# Altium PCB POWER.PcbDoc (part 1 of 2) (continued)
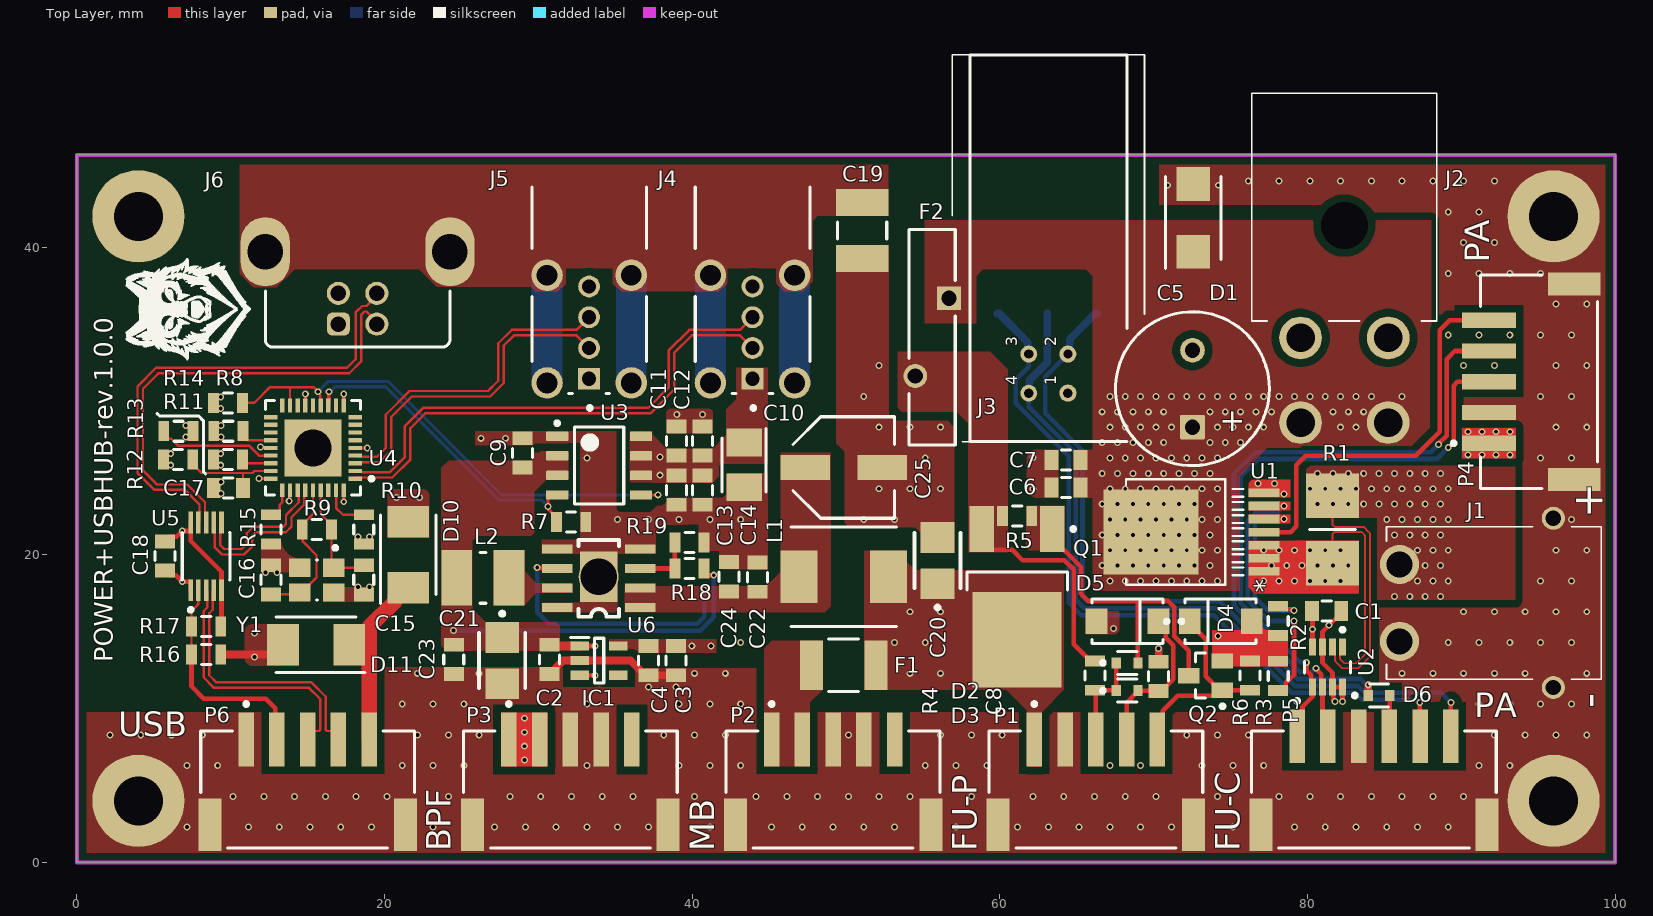
[diagram p0: Top Layer view]
## Footprints (in the part's own frame and the unit in brackets; to place one, negate y for a bottom-side part, rotate by r counter-clockwise, add the part's x,y. Pads: shape width x height; smd on the part's side, far side on the other; paste and mask are expansions set on the pad)
768250004 [mm]
  round 2.775 hole 1.85: 1(-2.85,10.7) 2(2.85,10.7) 3(-2.85,5.2) 4(2.85,5.2)
  round 1.525 hole 3.05 unplated: 5(0,-2.1)
  silkscreen extent -6,-10.7 6.02,4.1, body extent -5.99,-10.59 6.07,11.37, height 14.51
C-0805 [mm] "Surface-Mount Multilayer Chip Capacitor, Body 2 x 1.25 mm (L x W)"
  rect 0.9x1.3 smd: 1(-0.95,0) 2(0.95,0)
  Top Layer pour cut-out: -0.5,0.65 0.5,0.65 0.5,-0.65 -0.5,-0.65
  silkscreen extent -0.3,-0.65 0.3,0.65, body extent -1,-0.62 1,0.63, height 0.78
CAPAE_4.3X4.3H5.4 [mm]
  rect 2x2.2 smd: 1(-1.1,0) 2(1.9,0)
  silkscreen extent -2.9,-1.5 2.2,1.5, body extent -1.45,-1.5 2.25,1.5, height 2.16
CAPC4632X280X75LL50T35 [mm] "Chip Capacitor, 2-Leads, Body 5.1x3.5mm, IPC High Density"
  rect 1.75x3.4 smd: 1(-1.825,0) 2(1.825,0)
  silkscreen extent -0.55,-1.6 0.55,1.6, body extent -2.55,-1.75 2.55,1.75, height 2.8
CAPPM3528X210N [mm]
  rect 1.8x2.3 smd: 1(-1.45,0) 2(1.45,0)
  silkscreen extent -2.35,-1.43 1.75,1.43, body extent -1.75,-1.43 1.75,1.43, height 2.1
"CE 5.0-10x12.5" [mm] "Capacitor, Electrolytic, Radial; RM 5mm; Body 10x12.5mm"
  rrect10% 1.6x1.6 hole 1: 1(-2.5,0)
  round 1.6 hole 1: 2(2.5,0)
  silkscreen extent -5,-5 5,5, body extent -5,-5 4.97,5, height 12.51
D0008A_N [mm] "SOIC, 8-Leads, Body 5x4mm, Pitch 1.27mm, IPC Medium Density"
  rrect17% 1.45x0.6 smd: 1(-2.725,1.905) 2(-2.725,0.635) 3(-2.725,-0.635) 4(-2.725,-1.905) 5(2.725,-1.905) 6(2.725,-0.635) 7(2.725,0.635) 8(2.725,1.905)
  silkscreen extent -2.85,-2.5 1.6,2.88, body extent -3,-2.45 3,2.45, height 1.63
DIOM5236X261N [mm]
  rect 2.05x2.7 smd: 1(-2.15,0) 2(2.15,0)
  silkscreen extent -3.17,-1.8 2.59,1.8, body extent -2.59,-1.8 2.59,1.8, height 2.61
DIOM5436X244N [mm]
  rect 2.2x2.15 smd: 1(-2.2,0) 2(2.2,0)
  silkscreen extent -3.27,-1.81 2.7,1.81, body extent -2.7,-1.81 2.7,1.81, height 2.44
ECG.00.304.CLV [mil] "Socket, Female, Through hole"
  round 44 hole 24: 1(-50,-50)
  round 43.31 hole 23.62: 2(50,-50) 3(50,50) 4(-50,50)
  silkscreen extent -174,-246 816,246
EEE1AA101SP [mm]
  rect 3.2x1.6 smd: 1(-2.5,0) 2(2.5,0)
  silkscreen extent -3.3,-3.3 3.3,3.3, body extent -3.9,-3.4 3.9,3.4, height 5.57
FAIR-SOT23-3_V [mm] "SOT23, 3-Leads, Body 2.92x1.3mm, Pitch 0.95mm"
  rect 1x1.4 smd: 1(-0.95,-1.1) 2(0.95,-1.1) 3(0,1.1)
  silkscreen extent -2.12,-1.23 1.46,0.65, body extent -1.46,-0.65 1.46,0.65, height 1.2
FP-846AP-MFG [mm]
  rect 1.4x0.3 smd paste+0 mask+0: 1(-2.2,1) 2(-2.2,0.5) 3(-2.2,0) 4(-2.2,-0.5) 5(-2.2,-1) 6(2.2,-1) 7(2.2,-0.5) 8(2.2,0) 9(2.2,0.5) 10(2.2,1)
  silkscreen extent -3.6,-1.55 1.55,1.55, body extent -3,-1.65 3,1.65, height 0.25
FP-48204-0001-MFG [mm]
  rect 1.42x1.42 hole 0.92 paste-1000 mask+0: 1(0,8.805)
  round 1.42 hole 0.92 paste-1000 mask+0: 2(0,6.805) 3(0,4.805) 4(0,2.805)
  round 2.05 hole 1.35 paste-1000 mask+0: 5(-2.735,9.075) 6(2.735,9.075) 7(-2.735,2.075) 8(2.735,2.075)
  silkscreen extent -3.72,-3.67 3.72,10.83, body extent -3.86,-9.85 3.86,10.2, height 0.25
FP-DCN0008A-MFG [mm]
  rect 1.1x0.45 smd paste+0 mask+0: 1(-1.3,0.975) 2(-1.3,0.325) 3(-1.3,-0.325) 4(-1.3,-0.975) 5(1.3,-0.975) 6(1.3,-0.325) 7(1.3,0.325) 8(1.3,0.975)
  silkscreen extent -2.55,-1.5 0.38,1.5, body extent -1.95,-1.85 1.95,1.85, height 0.25
FP-MF-MSMF110-16-MFG [mm]
  rect 1.5x3.2 smd paste+0 mask+0: 1(-2.1,0) 2(2.1,0)
  silkscreen extent -0.97,-1.71 0.97,1.71, body extent -2.95,-1.81 2.95,1.81, height 0.25
FP-NX3225GA-MFG [mm]
  rect 1.4x1.2 smd paste+0 mask+0: 1(-1.1,-0.8) 2(1.1,-0.8) 3(1.1,0.8) 4(-1.1,0.8)
  silkscreen extent -1.33,-2.22 0.03,1.3, body extent -1.9,-1.5 1.9,1.5, height 0.25
FP-RUEF400-MFG [mm]
  rect 1.55x1.55 hole 1 paste-1000 mask+0: 1(-2.525,1.095)
  round 1.55 hole 1 paste-1000 mask+0: 2(2.525,-1.095)
  silkscreen extent -7,-1.5 7,1.5, body extent -7.1,-1.97 7.1,1.97, height 0.25
FP-SMA-MFG [mm]
  rect 1.4x1.64 smd paste+0 mask+0: 1(-2.015,0) 2(2.015,0)
  silkscreen extent -3.62,-1.45 2.3,1.45, body extent -2.82,-1.55 2.82,1.55, height 0.25
FP-SOD523-MFG [mm]
  rect 0.6x0.7 smd paste+0 mask+0: 1(-0.7,0) 2(0.7,0)
  silkscreen extent -1.7,-0.75 0.63,0.75, body extent -1.1,-0.53 1.1,0.53, height 0.25
FP-USB2512BI-AEZG-MFG [mm]
  rect 0.9x0.28 smd paste+0 mask+0: 1(-2.75,2) 2(-2.75,1.5) 3(-2.75,1) 4(-2.75,0.5) 5(-2.75,0) 6(-2.75,-0.5) 7(-2.75,-1) 8(-2.75,-1.5) 9(-2.75,-2) 19(2.75,-2) 20(2.75,-1.5) 21(2.75,-1) 22(2.75,-0.5) 23(2.75,0) 24(2.75,0.5) 25(2.75,1) 26(2.75,1.5) 27(2.75,2)
  rect 0.28x0.9 smd paste+0 mask+0: 10(-2,-2.75) 11(-1.5,-2.75) 12(-1,-2.75) 13(-0.5,-2.75) 14(0,-2.75) 15(0.5,-2.75) 16(1,-2.75) 17(1.5,-2.75) 18(2,-2.75) 28(2,2.75) 29(1.5,2.75) 30(1,2.75) 31(0.5,2.75) 32(0,2.75) 33(-0.5,2.75) 34(-1,2.75) 35(-1.5,2.75) 36(-2,2.75)
  rect 3.7x3.7 smd paste+0 mask+0: 37(0,0)
  silkscreen extent -3.93,-3.08 3.08,3.08, body extent -3.3,-3.3 3.3,3.3, height 0.25
INDPM6965X300N [mm]
  rect 2.4x3.4 smd: 1(-2.9,0) 2(2.9,0)
  silkscreen extent -3.43,-3.23 3.43,3.23, body extent -3.54,-3.33 3.53,3.34, height 2.89
JST-S5B-PH-SM4-TB_V [mm] "SMD, 7-Leads, Body 13.9x7.6mm, Pitch 2mm"
  rect 1x3.5 smd: 1(-4,2.675) 2(-2,2.675) 3(0,2.675) 4(2,2.675) 5(4,2.675)
  rect 1.5x3.4 smd: MP1(-6.35,-2.875) MP2(6.35,-2.875)
  silkscreen extent -6.95,-4.38 6.95,5.1, body extent -6.95,-4.37 6.95,4.23, height 5.6
JST-S6B-PH-SM4-TB(LF)(SN)_V [mm] "SMD, 2-Leads, Body 15.9x7.6mm, Pitch 2mm"
  rect 1x3.5 smd: 1(-5,2.875) 2(-3,2.875) 3(-1,2.875) 4(1,2.875) 5(3,2.875) 6(5,2.875)
  rect 1.5x3.4 smd: MP1(-7.35,-2.875) MP2(7.35,-2.875)
  silkscreen extent -7.95,-4.37 7.95,5.3, body extent -7.95,-4.37 7.95,4.23, height 5.6
OCTAPAK7_6P1X6P5_STM-M [mil]
  rect 22x79 smd paste+0 mask+0: 1(-100.39,-226.5) 2(-66.93,-226.5) 3(-33.46,-226.5) 4(0,-226.5) 5(33.46,-226.5) 6(66.93,-226.5) 7(100.39,-226.5)
  rect 217x243 smd paste+0 mask+0: 8(0,63)
  silkscreen extent -135,-173 135,127, body extent -130,-244 130,154, height 95
ONSC-DPAK-3-369C-01_V [mm] "DPAK, 3-Leads, Body 6.54x6.095mm, Pitch 2.29mm"
  rect 3x1.6 smd: 1(-4.4,2.29) 3(-4.4,-2.29)
  rect 6.2x5.8 smd: 4(2.8,0)
  silkscreen extent -4.52,-3.27 -0.45,3.77, body extent -1.6,-3.27 4.49,3.27, height 2.38
R-0805 [mm] "Thin Film, Rectangular Resisitor Chip, Body 2 x 1.2 mm (L x W)"
  rect 0.7x1.3 smd: 1(-0.95,0) 2(0.95,0)
  Top Layer pour cut-out: -0.6,0.65 0.6,0.65 0.6,-0.65 -0.6,-0.65
  silkscreen extent -0.3,-0.65 0.3,0.65, body extent -1,-0.62 1,0.62, height 0.6
RESC6432X88N [mm]
  rect 2.9x3.45 smd: 1(-2.2,0) 2(2.2,0)
  silkscreen extent 0,-1.49 0,1.49, body extent -3.17,-1.59 3.17,1.59, height 0.88
SOT95P280X145-5N [mm]
  rect 1.2x0.6 smd: 1(-1.25,0.95) 2(-1.25,0) 3(-1.25,-0.95) 4(1.25,-0.95) 5(1.25,0.95)
  silkscreen extent -1.85,-1.45 0.3,1.5, body extent -1.4,-1.45 1.4,1.45, height 1.2
ST1S10 [mm]
  rect 2x0.6 smd: 1(-2.7,1.905) 2(-2.7,0.635) 3(-2.7,-0.635) 4(-2.7,-1.905) 5(2.7,-1.905) 6(2.7,-0.635) 7(2.7,0.635) 8(2.7,1.905)
  rect 2.41x3.3 smd: 9(0,-0.1)
  silkscreen extent -1.32,-2.5 1.32,2.5, body extent -3,-2.45 3,2.45, height 1.63
USB_B_PCB_R [mm] "USB B-type connector"
  rrect50% 1.5x1.5 hole 1: 1(1.25,2.35)
  round 1.5 hole 1: 2(-1.25,2.35) 3(-1.25,0.35) 4(1.25,0.35)
  oval 3.2x4.5 hole 2.3: 5(6,-2.35) 6(-6,-2.35)
  silkscreen extent -6,0.19 6,3.85, body extent -7.49,-12.65 7.39,4.35, height 11
WE-LQ-L [mm] "Inductor, 2-Leads, Body 4.5 x 3.2 mm"
  rect 2x3.6 smd: 1(-1.7,0) 2(1.7,0)
  silkscreen extent -0.2,-1.65 0.2,1.65, body extent -2.25,-1.6 2.25,1.6, height 2.59
XT30PWM [mm]
  round 2.55 hole 1.7: 1(-2.5,-5.912) 2(2.5,-5.912)
  round 1.5 hole 1: 3(5.5,4.088) 4(-5.5,4.088)
  silkscreen extent -4.95,-6.76 4.95,7.19, body extent -6.65,-6.71 6.65,7.24, height 5.06

## Part data
C1 C2 C3 C4 C6 C7 C8 C9 C11 C12 C13 C14 C15 C16 C17 C18 C22 C23 C24: library part "C semi", "Ceramic Multilayer Capacitor", Manufacturer=Yageo/Phycomp, Manufacturer P/N=CC0603JRNPO9BN102, Tolerance=±10%, numsch=011, Parameters="1nF, NP0, 50V, ±5%", TypeNum=155
C5: library part CE, "Capacitor Electrolytic", Manufacturer=Yageo/Phycomp, Manufacturer P/N="SK 016 M 470", Tolerance=±20%, numsch=019, Parameters="470uF, SK, 16V, ±20%", TypeNum=185
C10: "Capacitor Polarised", Manufacturer_Name=AVX, Mouser Part Number=581-TAJB107K006R, Arrow Part Number=TAJB107K006RNJ, Arrow Price/Stock=https://www.arrow.com/en/products/tajb107k006rnj/avx?region=nac, Datasheet Link=http://datasheets.avx.com/TAJ.pdf, Height=2.1mm, Manufacturer_Part_Number=TAJB107K006RNJ, Mouser Price/Stock=https://www.mouser.co.uk/ProductDetail/AVX/TAJB107K006RNJ?qs=fdqkYiOtZpcsxthKdBMg8Q%3D%3D
C19: library part CMP-2000-05506-1, "X7R ±10% 2kV 10nF 1812 Multilayer Ceramic Capacitors MLCC - SMD/SMT ROHS", Capacitance=10nF, Case Size/Dimension=1812, Dielectric=X7R, Manufacturer=AVX, Package Description="2-Pin Surface Mount Device, Body 4.6 x 3.2 mm", Rated Voltage=1000V, Tolerance (%)=±10%, Datasheet URL=http://datasheets.avx.com/HV-FlexitermMLCC.pdf, Datasheet Version=01/2016, Manufacturer URL=http://www.avx.com/, Mounting Technology=SurfaceMount, Package Reference=1812
C20 C21: library part CAPAE_4.3x4.3h5.4, "CAPAE_4.3x4.3h5.4"
C25: "Capacitor Polarised", Manufacturer_Name=Panasonic, Datasheet Link=http://industrial.panasonic.com/cdbs/www-data/pdf/RDE0000/ABA0000C1145.pdf, Height=7.8mm, Manufacturer_Part_Number=EEE1EA220SP
D1: "TVS Diode (Uni-directional)", Arrow Part Number=SM6T15A-E3/52, Manufacturer_Name=Vishay, Mouser Part Number=625-SM6T15A-E3, Arrow Price/Stock=https://www.arrow.com/en/products/sm6t15a-e352/vishay?region=nac, Datasheet Link=https://www.vishay.com/docs/88385/sm6t.pdf, Height=2.44mm, Manufacturer_Part_Number=SM6T15A-E3/52, Mouser Price/Stock=https://www.mouser.co.uk/ProductDetail/Vishay-General-Semiconductor/SM6T15A-E3-52?qs=nmw3K3MsCZZRtlXmnTWYow%3D%3D
D2 D3 D6: library part CMP-2000-05518-3, "DIODE GEN PURP 80V 125MA SOD523", Average Rectified Current=125mA, Capacitance=2pF, Forward Current=250mA, Forward Voltage=1.25V, Max Forward Surge Current (Ifsm)=2A, Max Operating Temperature=150°C, Max Repetitive Reverse Voltage (Vrrm)=100V, Max Reverse Voltage (DC)=80V, Min Operating Temperature=-65°C, Package Quantity=3000, Peak Reverse Current=1uA, Power Dissipation=150mW, Contact Plating=Tin, Current Rating=125mA, Element Configuration=Single, Height=0.65mm, Lead Free="Lead Free", Length=0.9mm, Max Surge Current=2A, Mount="Surface Mount", Number of Pins=2, Output Current=125mA, Packaging="Tape and Reel", Peak Non-Repetitive Surge Current=2A, Polarity=Standard, Power Rating=150mW, Radiation Hardening=No, REACH SVHC="No SVHC", Recovery Time=4ns, Reverse Recovery Time=4ns, Voltage Rating (DC)=80V, Weight=3.5E-05oz, Width=1.3mm
D4 D5 D7 D8 D9: library part CMP-12225-000048-1, "TVS DIODE 5V 13.4V SMA", Breakdown Voltage=6.4V, Clamping Voltage=9.2V, Manufacturer=STMicroelectronics, Max Junction Temp=+150°C, Package=SMA, Peak Pulse Current=43.5A, Peak Pulse Power=400W, Reverse Standoff Voltage=5V, Temperature="-55°C to +150°C", Temperature Range Low=-55°C, Automotive=No, Category=Diode, ComponentLink2Description=Datasheet, ComponentLink2URL=https://www.st.com/resource/en/datasheet/smaj.pdf, Device Class L1="Circuit Protection", Device Class L2="TVS Diodes", Device Class L3=unset, Digikey Description="TVS DIODE 5V 13.4V SMA", Direction=Unidirectional, Height=2.65mm, Lead Free=Yes, Manufacturer Part Number=SMAJ5.0A-TR, Mouser Description="Transient Voltage Suppressor, TVS, Transil SMAJ Series, Unidirectional, 5 V, DO-214AC, 2, 6.4 V", Number Of Channels=1, Octopart=https://octopart.com/smaj5.0a-tr-stmicroelectronics-347063, RoHS=TRUE, Standoff Height=0.05mm, Temperature Range High=+150°C
D10 D11: "Schottky Diode", Manufacturer_Name="Taiwan Semiconductor", Mouser Part Number=821-SK14B, Datasheet Link=https://datasheet.datasheetarchive.com/originals/distributors/Datasheets-35/DSA-697770.pdf, Height=2.61mm, Manufacturer_Part_Number=SK14B, Mouser Price/Stock=https://www.mouser.co.uk/ProductDetail/Taiwan-Semiconductor/SK14B?qs=tHU%2FlV7kTyTJWY0R1AZI9A%3D%3D
F1: library part CMP-07400-000018-1, "PTC RESET FUSE 16V 1.1A 1812", Ambient Temperature Range High=+85°C, Ambient Temperature Range Low=-40°C, Current Rating=100A, Hold Current=1.1A, Manufacturer=Bourns, Package=MF-MSMF110/16, Resistance=0.04-0.21Ω, Temperature="-40°C to +85°C", Trip Current=2.2A, Voltage Rating=16V, Automotive=Yes, Automotive Grade="Grade 3", Category=Fuse, ComponentLink2Description=Datasheet, ComponentLink2URL=https://upverter.com/datasheet/72639194a1e73201de7e7957ee4193eb5a54a50e.pdf, Device Class L1="Circuit Protection", Device Class L2="PTC Resettable Fuses", Device Class L3=unset, Digikey Description="PTC RESET FUSE 16V 1.1A 1812", Height=0.85mm, Lead Free=Yes, Manufacturer Part Number=MF-MSMF110/16-2, Mouser Description="Resettable Fuses - PPTC 1.1A 16V 0.04ohm", Octopart=https://octopart.com/mf-msmf110%2F16-2-bourns-40767, RoHS=TRUE, Temperature Range High=+85°C, Temperature Range Low=-40°C, Trip Time=0.3s
F2: library part CMP-08606-000051-1, "PTC RESET FUSE 30V 4A RADIAL", Ambient Temperature Range High=+85°C, Ambient Temperature Range Low=-40°C, Current Rating=100A, Hold Current=4A, Manufacturer=Littelfuse, Resistance=0.01-0.05Ω, Temperature="-40°C to +85°C", Trip Current=8A, Voltage Rating=30V, Automotive=No, Category=Fuse, ComponentLink2Description=Datasheet, ComponentLink2URL=https://www.littelfuse.com/~/media/electronics/datasheets/resettable_ptcs/littelfuse_ptc_radial_leaded_ruef_datasheet.pdf.pdf, Device Class L1="Circuit Protection", Device Class L2="PTC Resettable Fuses", Device Class L3=unset, Digikey Description="PTC RESET FUSE 30V 4A RADIAL", Height=19.3mm, Lead Free=Yes, Manufacturer Part Number=RUEF400, Mouser Description="PTC Resettable Fuse 4A(hold) 8A(trip) 30V 100A 2.5W 12.7s 0.01Ohm Radial 14 X 3 X 19.3mm Bag", Octopart=https://octopart.com/ruef400-littelfuse-74215791, Package=RUEF400, RoHS=TRUE, Temperature Range High=+85°C, Temperature Range Low=-40°C, Trip Time=12.7s
IC1: "Integrated Circuit", Manufacturer_Name="Texas Instruments", Mouser Part Number=595-TPS70933DBVR, Arrow Part Number=TPS70933DBVR, Arrow Price/Stock=https://www.arrow.com/en/products/tps70933dbvr/texas-instruments?region=nac, Datasheet Link=http://www.ti.com/lit/gpn/tps709, Height=1.45mm, Manufacturer_Part_Number=TPS70933DBVR, Mouser Price/Stock=https://www.mouser.co.uk/ProductDetail/Texas-Instruments/TPS70933DBVR?qs=Z9twEOuL%252B%2FJOaGO60BtvLA%3D%3D
J1: "Connector", Manufacturer_Name=Amass, Datasheet Link=https://www.tme.eu/sl/Document/ce4077e36b79046da520ca73227e15de/XT30PW%20SPEC.pdf, Height=5mm, Manufacturer_Part_Number=XT30PW-M
J2: "Connector", Manufacturer_Name=Molex, Mouser2 Part Number=538-76825-0004, Datasheet Link=https://componentsearchengine.com//76825-0004.pdf, Height=16mm, Manufacturer_Part_Number=76825-0004, Mouser2 Price/Stock=https://www.mouser.com/Search/Refine.aspx?Keyword=538-76825-0004
J3: "Fixed receptacle with two nuts, with elbow contact for printed circuit (back panel mounting), Key (G), 00 series, Multipole Type with 4 Contacts", Manufacturer=LEMO, Rated Current(A)=0, AWG=28, ComponentLink1Description="Manufacturer URL", ComponentLink1URL=http://www.lemo.com, ComponentLink2Description=Datasheet, ComponentLink2URL=http://intra.lemo.ch/catalog/ROW/UK_English/unipole_multipole.pdf, Contact Diameter="0.5 mm", DatasheetVersion=Jun-14, Number of Contacts=4, PackageDescription="Fixed receptacle with two nuts, with elbow contact for printed circuit (back panel mounting), Key(G) for Printed Circuit", PackageReference=ECG.00.304.CLV, PartNumber=ECG.00.304.CLV
J4 J5: library part CMP-0411-00001-3, "CONN RCPT USB2.0 TYPEA 4POS R/A", Color=Black, Current Rating=1.5A, Flammability Rating="UL94 V-0", Insulation Resistance=1GR, Max Operating Temperature=85°C, Max Voltage Rating (AC)=30V, Max Voltage Rating (DC)=3.03kV, Min Operating Temperature=-55°C, Package Quantity=60, Connector Type=USB, Contact Material=Tin, Contact Plating=Bronze, Depth=19.25mm, Features=Shielded, Gender=Female, Housing Material=Polyester, Length=7.2mm, Number of Circuits=4, Number of Contacts=4, Number of Ports=1, Number of Rows=3, Number of Terminals/Pins=4, Orientation="Right Angle", Packaging=Tray, Pitch=2mm, Radiation Hardening=No, Series=48204, Termination=Solder, Voltage Rating=30V, Voltage Rating (AC)=30V, Weight=0.09524oz
J6: library part "Conn USB 4P", "Connector USB B-PCB-90 deg", Manufacturer=SST, Manufacturer P/N=USB-001-B, TypeNum=820
L1: "Inductor", Manufacturer_Name=Vishay, Mouser Part Number=70-IHLP2525CZER100M0, Arrow Part Number=IHLP2525CZER100M01, Arrow Price/Stock=https://www.arrow.com/en/products/ihlp2525czer100m01/vishay?region=nac, Datasheet Link=https://www.vishay.com/docs/34104/ihlp-2525cz-01.pdf, Height=3mm, Manufacturer_Part_Number=IHLP2525CZER100M01, Mouser Price/Stock=https://www.mouser.co.uk/ProductDetail/Vishay-Dale/IHLP2525CZER100M01?qs=PA%252BPfIdQ8xl3JLrMc5InbA%3D%3D
L2: library part CMP-0227-00587-1, "SMD-RF-Inductor WE-LQ, L = 3.30 µH", Inductance="3.30 ÂµH", ComponentLink1Description="Manufacturer Link", ComponentLink1URL=http://www.we-online.com, ComponentLink2Description=Datasheet, ComponentLink2URL=http://www.we-online.de/katalog/media/pdf/744045003.pdf, DatasheetVersion="ver 3, Jul-2006", PackageDescription="Inductor, 2-Leads, Body 4.5 x 3.2 mm", PackageReference=WE-LQ-L, PackageVersion=2006
P1 P2 P3 P4 P6: library part CMP-2000-07026-1, "Male Header, Pitch 2 mm, 1 x 5 Position, Height 5.5 mm, -25 to 85 degC, RoHS, Tape and Reel", Manufacturer=JST, Package Description="Male Header, Pitch 2 mm, 1 x 5 Position, Height 5.5 mm", Package Reference=S5B-PH-SM4-TB, Datasheet URL=http://www.jst-mfg.com/product/pdf/eng/ePH.pdf, Datasheet Version=12/2012, Manufacturer URL=http://www.jst.com/home2.html, Mounting Technology=SurfaceMount, No of Positions=5, Pitch=2mm, Style/Orientation=RightAngleHeader/Plug, Termination=Crimp, Type=WiretoBoard
P5: library part CMP-2000-07027-1, "Male Header, Pitch 2 mm, 1 x 6 Position, Height 5.5 mm, -25 to 85 degC", Manufacturer=JST, Package Description="Male Header, Pitch 2 mm, 1 x 6 Position, Height 5.5 mm", Datasheet URL=https://datasheet.ciiva.com/11747/0900766b80df0d9d-11747278.pdf, Datasheet Version=11/2008, Manufacturer URL=http://www.jst.com/home2.html, Mounting Technology=SurfaceMount, No of Positions=6, Package Reference=S6B-PH-SM4-TB(LF)(SN), Pitch=2mm, Style/Orientation=RightAngleHeader/Plug, Termination=Solder, Type=ShroudedHeader
Q1: library part CMP-1058-00387-1, "IRFR9024NPBF, Транзистор, Р-канал 55В 11А", Manufacturer="On Semiconductor", Package Type="DPAK-3, IPAK-4", PartNumber=NTD2955G, Channel Polarity="P Channel", Ciss Typ (pF)=500, ComponentLink1Description="Manufacturer URL", ComponentLink1URL=http://www.onsemi.com/, ComponentLink2Description=Datasheet, ComponentLink2URL=http://www.onsemi.cn/pub_link/Collateral/NTD2955-D.PDF, ComponentLink3Description="Package Specification", ComponentLink3URL=http://www.onsemi.cn/pub_link/Collateral/369C.PDF, Configuration=Single, Coss Typ (pF)=150, Crss Typ (pF)=50, DatasheetVersion="Rev. 13", ID Max (A)=12, Mounting Technology="Surface Mount", PackageDescription="3-Pin Flange Mount, Body 6.54 x 6.095 mm, Pitch 2.29 mm", PackageReference=DPAK-3-369C-01, PackageVersion="Rev. E, 02/2014", Packing="Tape and Reel", PD Max (W)=55, Qrr Typ (nC)=100, RoHS=Pb-Free, V(BR)DSS Min (V)=60, VGS Max (V)=20, VGS(th) Max (V)=4
Q2: library part CMP-2000-04934-1, "N-Channel Logic Level Enhancement Mode Field Effect Transistor, 1.7 V, -55 to 150 degC, 3-Pin SOT-23, RoHS, Tape and Reel", Manufacturer=Fairchild, Maximum Continuous Drain Current=0.17A, Maximum Drain Source Voltage=100V, Maximum Gate Source Voltage=±20V, Operating Temperature=-55to150degC, Package=3SOT-23, Package Description="3-Pin Small Outline Transistor, Body 2.92 x 1.325 mm, Pitch 0.95 mm", Package Reference=SOT23-3, Package Version="Rev. 12, 03/2016", Category=MOSFET, Channel Mode=Enhancement, Channel Type=N, Datasheet URL=https://www.fairchildsemi.com/datasheets/BS/BSS123.pdf, Datasheet Version=Jun-03, Manufacturer URL=https://www.fairchildsemi.com/, Mounting=SurfaceMount, Package URL=http://www.fairchildsemi.com/dwg/MA/MA03D.pdf, Packaging=Tape&Reel, Rad Hard=No, RDS-on=6000@10VmOhm, Typical Fall Time=2.4ns, Typical Rise Time=9ns, Typical Turn-Off Delay Time=17ns, Typical Turn-On Delay Time=1.7ns
R1: "Resistor", Manufacturer_Name="YAGEO (PHYCOMP)", Mouser Part Number=603-PA2512FKF7W0R002, Arrow Part Number=PA2512FKF7W0R002E, Arrow Price/Stock=https://www.arrow.com/en/products/pa2512fkf7w0r002e/yageo, Datasheet Link=https://componentsearchengine.com/Datasheets/1/PA2512FKF7W0R002E.pdf, Height=0.88mm, Manufacturer_Part_Number=PA2512FKF7W0R002E, Mouser Price/Stock=https://www.mouser.co.uk/ProductDetail/Yageo/PA2512FKF7W0R002E?qs=kUzwwg2uGjVokepn5p9JTw%3D%3D
R2 R3 R4 R5 R6 R7 R8 R9 R10 R11 R12 R13 R14 R15 R16 R17 R18 R19: library part "RES semi", "Chip Resistor", Manufacturer=Yageo/Phycomp, Manufacturer P/N=RC0603FR-0749R9L, numsch=021, Parameters="49.9R, RC, 0.1W, ±1%, TCR ±100ppm", TypeNum=212
U2: library part CMP-0704-00041-3, "IC CURRENT MONITOR 1% SOT23-8", Case/Package=SOT-23-8, Input Offset Voltage (Vos)=100uV, Max Input Voltage=26V, Max Operating Temperature=125°C, Max Supply Current=5mA, Max Supply Voltage=5.5V, Min Input Voltage=0V, Min Operating Temperature=-40°C, Min Supply Voltage=3V, Nominal Supply Current=700uA, Operating Supply Current=1mA, Output Current=10mA, Package Quantity=3000, Accuracy=1%, Bandwidth=3.4MHz, Common Mode Rejection Ratio=100dB, Contact Plating=Gold, Features=I²C, Height=1.3mm, Lead Free="Lead Free", Length=3mm, Number of Amplifiers=1, Number of Pins=8, Output Current per Channel=10mA, Output Type=Digital, Packaging="Tape and Reel", Quiescent Current=700uA, Radiation Hardening=No, REACH SVHC="No SVHC", RoHS Compliant=Yes, Series=Zero-Drift, Supply Current=700uA, Weight=0.001411oz, Width=1.75mm
U3: library part CMP-0337-00092-2, "2.2 A, 2.7 to 5.5 V Single Hot-Swap IC Hi-Side MOSFET, Fault Report, Act-High Enable, 33 mOhms, -40 to 85 degC, 8-pin SOIC (D), Green (RoHS & no Sb/Br)", Continuous Current(Max)(A)=2, Current Limit(A)=3, Manufacturer="Texas Instruments", Rating=Catalog, Code_JEDEC=MS-012AA, ComponentLink1Description=Datasheet, ComponentLink1URL=http://www.ti.com/general/docs/lit/getliterature.tsp?genericPartNumber=TPS2034&fileType=pdf, DatasheetVersion=SLVS190C, Eco-Plan="Green (RoHS & no Sb/Br)", Enable="Active High", Mounting Technology="Surface Mount", Number of Switches=1, PackageDescription="8-Pin Plastic Small Outline Integrated Circuit, 4.9 x 3.9 mm, Pitch 1.27 mm Pitch", PackageReference=D0008A, PackageVersion="revM, Jun-2011", PartNumber=TPS2034D, rDS(on) per FET(Typ)(mOhms)=33, Vin(Max)(V)=5.5, Vin(Min)(V)=2.7
U4: library part CMP-06284-000006-1, "IC USB 2.0 2PORT HUB CTLR 36QFN", Ambient Temperature Range High=+85°C, Ambient Temperature Range Low=-40°C, Manufacturer="Microchip Technology", Max Supply Voltage=3.6V, Min Supply Voltage=3V, Package=0, Temperature="-40°C to +85°C", Automotive=No, Category=IC, ComponentLink2Description=Datasheet, ComponentLink2URL=http://ww1.microchip.com/downloads/en/DeviceDoc/00001692C.pdf, Device Class L1="Integrated Circuits (ICs)", Device Class L2="Interface ICs", Device Class L3="USB Interface ICs", Digikey Description="IC USB 2.0 2PORT HUB CTLR 36QFN", Height=1mm, Interface=I2C,USB,SMBus, Ipc Land Pattern Name=QFN50P600X600X90-36, Lead Free=Yes, Manufacturer Part Number=USB2512BI-AEZG, Mouser Description="USB Interface IC USB2.0 HIGH SPEED IND HUB CONTROLLER", Number of Ports=2, Octopart=https://octopart.com/usb2512bi-aezg-microchip-24995415, RoHS=TRUE, Standoff Height=0mm, Temperature Range High=+85°C, Temperature Range Low=-40°C, USB Standard="USB 2.0"
U5: library part CMP-07103-000004-1, "IC USB SWITCH DPDT 10MSOP", Case/Package=MSOP, Current=100mA, Max Operating Temperature=85°C, Max Supply Voltage=4.3V, Min Operating Temperature=-40°C, Min Supply Voltage=3V, On-State Resistance=6.5R, Package Quantity=1, Data Rate=480Mbps, Height=0.85mm, Lead Free="Lead Free", Length=3mm, Mount="Surface Mount", Number Of Channels=2, Number of Inputs=2, Number of Outputs=4, Number of Pins=10, Operating Supply Voltage=4.3V, Packaging="Tape and Reel", Radiation Hardening=No, REACH SVHC="No SVHC", Supply Type=Single, Throw Configuration=DPDT, Voltage=4.3V, Weight=0.1125g, Width=3mm
Y1: library part CMP-200220-000007-1, "CRYSTAL 16.0000MHZ 8PF SMD", Case/Package=SMD/SMT, ESR (Equivalent Series Resistance)=80R, Frequency=16MHz, Frequency Stability=30ppm, Frequency Tolerance=20ppm, Load Capacitance=8pF, Max Operating Temperature=85°C, Min Operating Temperature=-40°C, Package Quantity=3000, Height=0.035inch, Length=0.126inch, Mount="Surface Mount", Number of Pins=4, Packaging="Tape and Reel", Width=0.098inch

## Free pads (board coordinates)
  round 6 hole 3.2: ""(4,4) ""(4,42) ""(96,4) ""(96,42)
  round 2.6 hole 2.4: ""(15.35,26.95) ""(33.925,18.575)

## Via types
v1: diameter 0.45, hole 0.25, Top Layer to Bottom Layer, tented both sides, 283 vias
v2: diameter 0.45, hole 0.25, Top Layer to Bottom Layer, 195 vias

## Nets (pads, with @x,y where several pads share a name; then routed paths per layer and width w, separated by ;. In a path a pad name is that pad's centre, name@x,y a point inside that pad or via, vN(x,y) a via of type N, cw(c..) or ccw(c..) an arc to the next point about the centre after c; other vN are vias at no path point)
+3.3V: C1.1 C3.1 C4.1 C18.2 IC1.5 R8.1 R12.2 U2.4 U4.5 U4.10 U4.15 U4.23 U4.27 U4.29 U4.36 U5.1 | length 10
  Top Layer w0.2: v1(11.85,24.95) U4.27@12.6,24.95 ; v1(11.94,26.998) ccw(c11.989,26.998) 11.989,26.95 U4.23@12.6,26.95 ; v1(13.801,23.49) 13.826,23.514 13.826,24.176 U4.29@13.85,24.2 ; U4.15@14.85,29.7 v1(14.85,30.448) ; v1(17.35,23.45) U4.36@17.35,24.2 ; U4.10@17.35,29.7 v1(17.35,30.45) ; U4.5@18.1,26.95 v1(18.875,26.95)
  Top Layer w0.3: C18.2@5.725,18.975 6.025,18.675 6.425,18.675 v1(6.85,18.25) ; v1@6.9,18.25 7.4,18.25 U5.1@7.4,17.7 ; C1.1@80.3,16.35 80.325,16.325 U2.4@80.325,14
  other v1: 39.975,14.075 41.225,14.075 80.325,15.162 6.1,25.825 6.1,26.575 9.35,29.508 9.35,30.258
+5V: C2.1 C9.1 C21.1 C23.1 IC1.1 IC1.3 L2.2 R18.1 U3.2 U3.3 | length 26.8
  Top Layer w0.3: IC1.3@32.7,12.175 32.712,12.163 33.663,12.163 v1(33.675,12.15) ; IC1.1@32.7,14.075 v1(33.675,14.075) ; R18.1@40.775,19.1 40.775,18.875 40.975,18.675 v1(41.4,18.675)
  Top Layer w0.6: C2.1@30.725,14.15 30.8,14.075 IC1.1@32.7,14.075
  Bottom Layer w0.3: v1(24.475,15.075) 40.525,15.075 41.4,15.95 v1(41.4,18.675) ; v1(33.675,12.15) v1(33.675,14.075)
+13.8: C20.1 F1.1 L1.1 P1.1 P3.1 P3.2 P4.1 Q1.4 | length 2.7
  Bottom Layer w0.5: v1(90.433,28) v1(93.158,28)
  other v1: 29.1,6.65 29.1,7.558 29.1,8.467 29.1,9.375 54.154,12.297 56.154,12.297 53.154,14.297 55.154,14.297 54.154,16.297 56.154,16.297 90.442,26.5 91.35,26.5 92.258,26.5 93.167,26.5 91.342,28 92.25,28
+13.8V_IN: C5.1 C6.1 C7.1 D1.1 F2.1 J2.1 J2.2 U1.8
  other v1: 67.154,18.297 68.154,18.297 69.154,18.297 70.154,18.297 71.154,18.297 72.154,18.297 73.154,18.297 74.154,18.297 66.654,19.297 67.654,19.297 68.654,19.297 69.654,19.297 70.654,19.297 71.654,19.297 72.654,19.297 73.654,19.297 67.154,20.297 68.154,20.297 69.154,20.297 70.154,20.297 71.154,20.297 72.154,20.297 73.154,20.297 74.154,20.297 66.654,21.297 67.654,21.297 68.654,21.297 69.654,21.297 70.654,21.297 71.654,21.297 72.654,21.297 73.654,21.297 67.154,22.297 68.154,22.297 69.154,22.297 70.154,22.297 71.154,22.297 72.154,22.297 73.154,22.297 74.154,22.297 66.654,23.297 67.654,23.297 68.654,23.297 69.654,23.297 70.654,23.297 71.654,23.297 72.654,23.297 73.654,23.297 67.154,24.297 68.154,24.297 69.154,24.297 70.154,24.297 71.154,24.297 72.154,24.297 73.154,24.297 74.154,24.297 66.654,25.297 67.654,25.297 68.654,25.297 69.654,25.297 70.654,25.297 71.654,25.297 72.654,25.297 73.654,25.297 67.154,26.297 68.154,26.297 69.154,26.297 70.154,26.297 71.154,26.297 72.154,26.297 73.154,26.297 74.154,26.297 66.654,27.297 67.654,27.297 68.654,27.297 69.654,27.297 70.654,27.297 73.654,27.297 74.654,27.297 75.654,27.297 67.154,28.297 68.154,28.297 69.154,28.297 70.154,28.297 71.154,28.297 74.154,28.297 75.154,28.297 76.154,28.297 77.154,28.297 82.154,28.297 83.154,28.297 66.654,29.297 67.654,29.297 68.654,29.297 69.654,29.297 70.654,29.297 73.654,29.297 74.654,29.297 75.654,29.297 76.654,29.297 77.654,29.297 81.654,29.297 82.654,29.297 83.654,29.297 67.154,30.297 68.154,30.297 69.154,30.297 70.154,30.297 71.154,30.297 72.154,30.297 73.154,30.297 74.154,30.297 75.154,30.297 76.154,30.297 77.154,30.297 78.154,30.297 79.154,30.297 80.154,30.297 81.154,30.297 82.154,30.297 83.154,30.297 84.154,30.297 86.154,30.297
CPU_PW_HOLD: D4.1 P1.5 Q2.1 R6.2 | length 13.8
  Top Layer w0.3: P1.5@70.244,8 70.594,8.35 70.594,9.869 71.575,10.85 74.125,10.85 74.375,11.1 Q2.1@74.475,11.2 ; D4.1@72.335,15.795 D4.1@72.335,15.675 72.335,15.555 73.375,14.515 73.375,12.1 74.275,11.2 Q2.1@74.475,11.2 ; R6.2@76.275,11.2 Q2.1@74.475,11.2
CPU_PW_ON: C8.1 D3.2 D5.1 P1.4 | length 9.6
  Top Layer w0.3: P1.4@68.244,8 68.244,10.394 68.975,11.125 D3.2@68.975,11.175 69.638,11.175 ; D5.1@70.315,15.675 70.798,15.192 70.798,14.602 71.275,14.125 71.275,12.774 71.275,11.9 70.525,11.15 C8.1@70.325,11.15